# Altium PCB SMIOT_PCB.PcbDoc (continued)
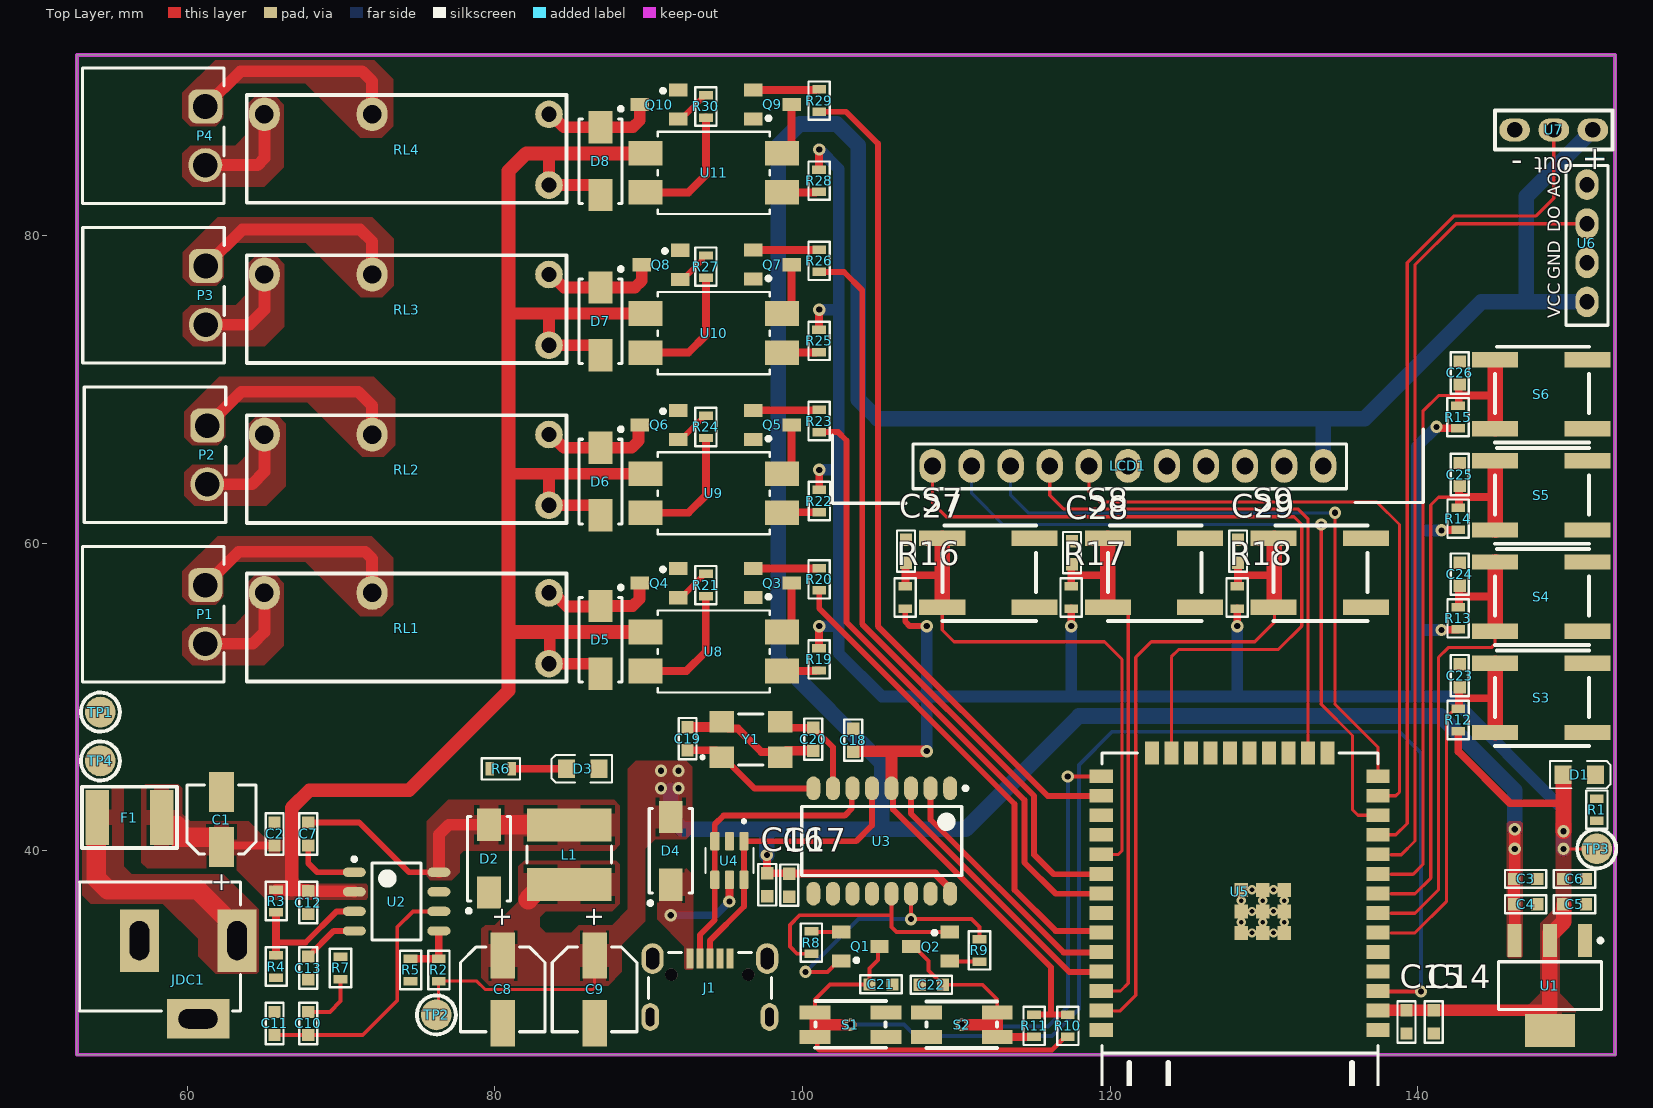
[diagram p0: Top Layer view]
## Part data
C1: library part 865080340003, "V-Chip, D4 x H5.5mm, 22uF, 16V", Capacitance Tolerance=+/-20%, Leakage Current=3.52uA, Operating Temperature Max=105°C, Operating Temperature Min=-55°C, Rated Voltage (DC)=16V, Ripple Current=90mA, Capacitance=22uF, Category="Aluminum Electrolytic Capacitors", ComponentLink2Description="Datasheet Link", ComponentLink2URL=https://www.we-online.com/redexpert/spec/865080340003?ad, Diameter=4mm, Dissipation Factor=16%, Endurance=2000h, Height=5.5mm, Mount="Surface Mount", Packaging="Tape and Reel", Supply 1 Name=Mouser, Supply 1 SN=710-865080340003, Supply 1 URL=https://www.mouser.com/ProductDetail/Wurth-Elektronik/865080340003?qs=0KOYDY2FL2%252BowmC4S50IuQ%3D%3D, Supply 2 Name=thegioiic, Supply 2 URL=https://www.thegioiic.com/tu-nhom-smd-22uf-16v-4x5-4mm
C2 C4 C6 C7 C15 C17 C21 C22 C23 C24 C25 C26 C27 C28 C29: library part 01060310410, "CAP, size 0603, 100nF", Capacitance Tolerance=+/-10%, Operating Temperature="-55 to +125degC", Capacitance=100nF, ComponentLink1Description=Manufacturer, ComponentLink1URL=http://www.we-online.de, ComponentLink2Description=Datasheet, ComponentLink2URL=https://www.we-online.com/catalog/datasheet/885012206095.pdf, Mounting Technology=SMT, Packaging="Tape and Reel", Size=0603, Supply 1 Name="Wurth Elektronik", Supply 1 SN=885012206095, Supply 1 URL=https://www.we-online.com/en/components/products/WCAP-CSGP-50VDC?sq=885012206095R#885012206095R, Supply 2 Name=Thegioiic, Supply 2 URL=https://www.thegioiic.com/tu-gom-0603-100nf-0-1uf-50v
C3 C5: library part 01060310510, "CAP, size 0603, 1uF", Capacitance Tolerance=+/-10%, Operating Temperature="-55 to +125degC", Capacitance=1uF, ComponentLink1Description=Manufacturer, ComponentLink1URL=http://www.we-online.de, ComponentLink2Description=Datasheet, ComponentLink2URL=https://www.we-online.com/components/products/datasheet/885012206126.pdf, Mounting Technology=SMT, Packaging="Tape and Reel", Size=0603, Supply 1 Name="Wurth Elektronik", Supply 1 SN=885012206126, Supply 1 URL=https://www.we-online.com/en/components/products/WCAP-CSGP-50VDC?sq=885012206126#885012206126, Supply 2 Name=Thegioiic, Supply 2 URL=https://www.thegioiic.com/tu-gom-0603-1uf-50v
C8 C9: library part 865080342006, "V-Chip, D5 x H5.5mm, 47uF, 16V", Capacitance Tolerance=+/-20%, Leakage Current=7.52uA, Operating Temperature Max=105°C, Operating Temperature Min=-55°C, Rated Voltage (DC)=16V, Ripple Current=195mA, Capacitance=47uF, Category="Aluminum Electrolytic Capacitors", ComponentLink2Description="Datasheet Link", ComponentLink2URL=https://www.we-online.com/redexpert/spec/865080342006?ad, Diameter=5mm, Dissipation Factor=16%, Endurance=2000h, Height=5.5mm, Mount="Surface Mount", Packaging="Tape and Reel", Supply 1 Name=Mouser, Supply 1 SN=710-865080262015, Supply 1 URL=https://www.mouser.com/ProductDetail/Wurth-Elektronik/865080262015?qs=0KOYDY2FL2%2Ffe5w2MssUoQ%3D%3D, Supply 2 Name=thegioiic, Supply 2 URL=https://www.thegioiic.com/tu-nhom-smd-47uf-16v-5x5-4mm
C10: library part 0106031025, "CAP, size 0603, 1nF", Capacitance Tolerance=+/-5%, Operating Temperature="-55 to +125degC", Capacitance=1nF, ComponentLink1Description=Manufacturer, ComponentLink1URL=http://www.we-online.de, ComponentLink2Description=Datasheet, ComponentLink2URL=https://www.we-online.com/components/products/datasheet/885012006063.pdf, Mounting Technology=SMT, Packaging="Tape and Reel", Size=0603, Supply 1 Name="Wurth Elektronik", Supply 1 SN=885012006063, Supply 1 URL=https://www.we-online.com/en/components/products/WCAP-CSGP-50VDC?sq=885012007063#885012007063
C11: library part 01060347310, "CAP, size 0603, 47nF", Capacitance=47nF, Capacitance Tolerance=+/-10%, Operating Temperature="-55 to +125degC", ComponentLink1Description=Manufacturer, ComponentLink1URL=http://www.we-online.de, ComponentLink2Description=Datasheet, ComponentLink2URL=https://www.we-online.com/catalog/datasheet/885012206093.pdf, Mounting Technology=SMT, Packaging="Tape and Reel", Size=0603, Supply 1 Name="Wurth Elektronik", Supply 1 SN=885012206093, Supply 1 URL=https://www.we-online.com/en/components/products/WCAP-CSGP-50VDC?sq=885012206093#885012206093, Supply 2 Name=Thegioiic, Supply 2 URL=https://www.thegioiic.com/tu-gom-0603-47nf-50v
C12 C13 C18: library part 01060310310, "CAP, size 0603, 10nF", Capacitance Tolerance=+/-10%, Operating Temperature="-55 to +125degC", Capacitance=10nF, ComponentLink1Description=Manufacturer, ComponentLink1URL=http://www.we-online.de, ComponentLink2Description=Datasheet, ComponentLink2URL=https://www.we-online.com/catalog/datasheet/885012206089.pdf, Mounting Technology=SMT, Packaging="Tape and Reel", Size=0603, Supply 1 Name="Wurth Elektronik", Supply 1 SN=885012206089, Supply 1 URL=https://www.we-online.com/en/components/products/WCAP-CSGP-50VDC?sq=885012206089#885012206089, Supply 2 Name=Thegioiic, Supply 2 URL=https://www.thegioiic.com/tu-gom-0603-10nf-50v
C14 C16: library part 01060310010, "CAP, size 0603,10uF", Capacitance Tolerance=+/-10%, Operating Temperature="-55 to +125degC", Capacitance=10uF, ComponentLink1Description=Manufacturer, ComponentLink2Description=Datasheet, Mounting Technology=SMT, Packaging="Tape and Reel", Size=0603, Supply 2 Name=Thegioiic, Supply 2 URL=https://www.thegioiic.com/tu-gom-0603-10uf-16v
C19 C20: library part 01060322010, "CAP, size 0603, 22pF", Capacitance Tolerance=+/-10%, Operating Temperature="-55 to +125degC", Capacitance=22pF, ComponentLink1Description=Manufacturer, ComponentLink1URL=Thegioiic, ComponentLink2Description=Datasheet, Mounting Technology=SMT, Packaging="Tape and Reel", Size=0603, Supply 2 Name=Thegioiic, Supply 2 URL=https://www.thegioiic.com/tu-gom-0603-22pf-50v
D1 D3: "LED"
D2 D4: "Schottky Diode", Code_JEDEC=DO-214-AA, LatestRevisionDate=17-Jul-2002, LatestRevisionNote="Re-released for DXP Platform.", PackageDescription="DO-214-AA/SMB; 2 C-Bend Leads; Body 5.3 x 3.6 mm, inc. leads (LxW)", PackageReference=SMB, Published=8-Jun-2000, Publisher="Altium Limited"
D5 D6 D7 D8: library part "D Schottky", "Schottky Diode", Code_JEDEC=DO-214-AA, LatestRevisionDate=17-Jul-2002, LatestRevisionNote="Re-released for DXP Platform.", PackageDescription="DO-214-AA/SMB; 2 C-Bend Leads; Body 5.3 x 3.6 mm, inc. leads (LxW)", PackageReference=SMB, Published=8-Jun-2000, Publisher="Altium Limited"
F1: library part 061812200008, "Resettable Fuse, Size 1812, 8V, 2A", Hold Current=2A, Manufacturer=Littelfuse, Threshold Current=100A, Threshold Voltage=8V, Trip Current=4A, ComponentLink1Description="Datasheet link", ComponentLink1URL=https://www.littelfuse.com/~/media/electronics/product_specifications/resettable_ptcs/littelfuse_ptc_minismdc300f_2_product_specification.pdf.pdf, ComponentLink2Description="Supply 1 URL", ComponentLink2URL=https://www.mouser.vn/ProductDetail/Littelfuse/MINISMDC200F-2?qs=F6FIpiMdEVbPu4q%2F42CC1w%3D%3D, ComponentLink3Description="Supply 2 URL", ComponentLink3URL=https://www.digikey.com/en/products/detail/littelfuse-inc/MINISMDC200F-2/1045898?s=N4IgTCBcDaIAQFkCSA5JBlBARAwmADPgGIC0EAugL5A, ComponentLink4Description="Supply 3 URL", ComponentLink4URL=https://www.thegioiic.com/cau-chi-tu-phuc-hoi-1812-8v-2a, Mounting Technology=SMT/SMD, Size=1812, Supply 1 Name=Mouser, Supply 1 SN=650-MINISMDC200F-2, Supply 2 Name=Digikey, Supply 2 SN=MINISMDC200F-2TR-ND, Supply 3 Name=Thegioiic, Supply 3 SN=N/A
J1: "Micro USB 2.0 Type B Receptacle WR-COM, Horizontal, SMT, with Pegs, High Current at Pin 1 & Pin 5", Contact Resistance="30 mOhm", Operating Temperature="-40 to 85 degC", Rated Current="3 A", Working Voltage="30 VAC", ComponentLink1Description=Manufacturer, ComponentLink1URL=http://www.we-online.de, ComponentLink2Description=Datasheet, ComponentLink2URL=https://katalog.we-online.de/em/datasheet/629105150521.pdf, Connector Type="Micro USB 2.0 Type B", Gender=Receptacle, Mounting Technology=SMT, Orientation=Horizontal, Packaging="Tape and Reel", Part Number=629105150521, Published Date="September 2018", Publisher="Wurth Elektronik"
JDC1: "Jack DC input"
L1: library part 78477410, "WE-PD2A SMT Power Inductor, size 5848, 10uH, 2.2A", DC Resistance max.=0.1Ohm, DC Resistance typ.=0.078Ohm, Inductance=10uH, Manufacturer="Wurth Elektronik", Operating Temperature="-40 to +125degC", Rated Current=2.2A, Rated Voltage=80VDC, Saturation Current=2.5A, Self Resonant Frequency=26MHz, ComponentLink1Description=Manufacturer, ComponentLink1URL=http://www.we-online.de, ComponentLink2Description=Datasheet, ComponentLink2URL=https://www.we-online.com/catalog/datasheet/78477410.pdf, Manufacturer Part Number=78477410, Mounting Technology=SMT, Packaging="Tape and Reel", Published Date="May 2020", Size=5848, Supply 1 Name=Digi-Key, Supply 1 SN=732-6830-2-ND, Supply 1 URL=https://www.digikey.com/en/products/detail/w%C3%BCrth-elektronik/78477410/5168779?s=N4IgTCBcDaIOwA4Asc5IIwAYQF0C%2BQA, Supply 2 Name=Mouser, Supply 2 SN=710-78477410, Supply 2 URL=https://www.mouser.vn/ProductDetail/Wurth-Elektronik/78477410?qs=sBf%2Fb4nBSldlX6CYaJExDg%3D%3D, Supply 3 Name=thegioiic, Supply 3 URL=https://www.thegioiic.com/cuon-cam-dan-smd-cd53-5852-100-10uh-1-8a
LCD1: library part "LCD TFT", "The ILI9225 is a 262,144-color one-chip SoC driver for a-TFT liquid crystal display with resolution of 176RGBx220 dots, comprising a 528-channel source driver, a 220-channel gate driver, 87120 bytes RAM for graphic data of 176RGBx220 dots, and power supply circuit.", Display Color="16BIT RGB 65K color", Operating Temperature=-20℃~60℃, Operating Voltage=5V/3.3V, Power Consumption=TBD, Rough Weight(Package containing)="23 (g)", Storage Temperature=-30℃~70℃, Active Area="34.85x43.56 (mm)", Backlight="3 White Led", ComponentLink1Description=Hshop, ComponentLink1URL=https://hshop.vn/products/man-hinh-lcd-tft-2-inch-ili9225-giao-tiep-spi, ComponentLink2Description=Thegioiic, ComponentLink2URL=https://www.thegioiic.com/lcd-2inch-176x220-tft-ili9225-giao-tiep-spi, Driver IC=ILI9225, Module Interface="4-wire SPI interface", Module PCB Size="42.46x67.20 (mm)", Resolution="176*220 (Pixel)", Screen Size=2.2(inch), SKU=MAR2201, Type=TFT
P1 P2 P3 P4: "WR-TBL Series 322 Horizontal PCB Header, THT, pitch 3.81mm, 2p", Manufacturer="Wurth Elektronik", Operating Temperature Max=105°C, Operating Temperature Min=-40°C, Rated Current=10A, Working Voltage=300V, Application=Pluggable, Category="Terminal Blocks", ComponentLink1Description="Website Link", ComponentLink1URL=https://www.we-online.com/redexpert/article/691322310002?ad, ComponentLink2Description="Datasheet Link", ComponentLink2URL=https://www.we-online.com/redexpert/spec/691322310002?ad, Manufacturer Part Number=691322310002, Match Code=WR-TBL, Modularity=No, Mount="Through Hole", Number of Pins=2, Number of Rows=1, Orientation=Horizontal, Packaging=Box, Pitch=3.81mm, Supply 3 Name=ThegioiIC, Supply 3 URL 1=https://www.thegioiic.com/kf-3-81-2-r-terminal-block-plug-in-han-pcb-2-chan-cong-3-81mm-300v-10a, Supply 3 URL 2=https://www.thegioiic.com/ul-3-81-2-r-terminal-block-plug-in-han-pcb-2-chan-cong-3-81mm-300v-10a-ulo
Q1 Q2 Q3 Q5 Q7 Q9: "NPN Bipolar Transistor"
Q4 Q6 Q8 Q10: library part BC817, "NPN Bipolar Transistor"
R1: library part 0006032525, "RES, 2.5K Ohm, size 0603, 5%", Rated Power="1/4 W", Resistance=2.5K, Resistance tolerance=+/-5%, ComponentLink1Description="Datasheet link", Mounting Technology=SMT, Size=0603
R2: library part 0006038251, "RES, 8.2 kOhms, size 0603, 1%", Rated Power="1/4 W", Resistance=8.2K, Resistance tolerance=+/-1%, ComponentLink1Description="Datasheet link", Mounting Technology=SMT, Size=0603, Supply 1 Name=Mouser, Supply 1 SN=660-HV731JTTD8204F, Supply 1 URL=https://www.mouser.vn/ProductDetail/KOA-Speer/HV731JTTD8204F?qs=ZqVPfSd1khqN0teaqWW7DA%3D%3D, Supply 2 Name=Digi-Key, Supply 2 SN=13-RC0603FR-078M2LTR-ND, Supply 2 URL=https://www.digikey.com/en/products/detail/yageo/RC0603FR-078M2L/5918418
R3: library part 0006031041, "RES, 100k Ohm, size 0603, 1%", Rated Power=1/4W, Resistance Tolerant=+/-1%, ComponentLink1Description="Datasheet link", ComponentLink1URL=https://www.yageo.com/upload/media/product/productsearch/datasheet/rchip/PYu-SR_20105_RoHS_L_10.pdf, ComponentLink2Description="Supply 1 URL", ComponentLink2URL=https://www.mouser.vn/ProductDetail/YAGEO/SR0603FR-7T100KL?qs=sGAEpiMZZMvdGkrng054tz1y1XEHv7sNa%252BA%2F4WiDMf7aGw4zRBb%2FFQ%3D%3D, ComponentLink3Description="Supply 2 URL", ComponentLink3URL=https://www.digikey.com/en/products/detail/yageo/SR0603FR-7T100KL/9373095, Mounting Technology=SMT, Resistance=100k, Size=0603, Supply 1 Name=Mouser, Supply 1 SN=603-SR0603FR-7T100KL, Supply 2 Name=Digikey, Supply 2 SN="YAG5821TR-ND YAG5821CT-ND YAG5821DKR-ND"
R4: library part 0006032031, "RES, 20 kOhms, size 0603, 1%", Rated Power="1/4 W", Resistance="20 k", Resistance tolerance=+/-1%, ComponentLink1Description="Datasheet link", Mounting Technology=SMT, Size=0603, Supply 1 Name=Mouser, Supply 1 SN=667-ERJ-S03F2002V, Supply 1 URL=https://www.mouser.vn/ProductDetail/Panasonic/ERJ-S03F2002V?qs=Zyl8A9hlmJopfTdqNIDujw%3D%3D, Supply 2 Name=Digi-Key, Supply 2 SN=13-RC0603FR-1320KLTR-ND, Supply 2 URL=https://www.digikey.com/en/products/detail/yageo/RC0603FR-1320KL/13694225
R5: library part 0006031521, "RES, 1.5 kOhms, size 0603, 1%", Rated Power="1/4 W", Resistance="1.5 k", Resistance tolerance=+/-1%, ComponentLink1Description="Datasheet link", Mounting Technology=SMT, Size=0603, Supply 1 Name=Mouser, Supply 1 SN=755-SFR03EZPF1501, Supply 1 URL=https://www.mouser.vn/ProductDetail/ROHM-Semiconductor/SFR03EZPF1501?qs=byeeYqUIh0NryWvnzlukLQ%3D%3D, Supply 2 Name=Digi-Key, Supply 2 SN=13-RC0603FR-071R5LTR-ND, Supply 2 URL=https://www.digikey.com/en/products/detail/yageo/RC0603FR-071R5L/5918292
R6: library part 0006035621, "RES, 5.6k Ohm, size 0603, 1%", Rated Power=1/4W, Resistance Tolerant=+/-1%, ComponentLink1Description="Datasheet link", ComponentLink1URL=https://api.pim.na.industrial.panasonic.com/file_stream/main/fileversion/4484, ComponentLink2Description="Supply 1 URL", ComponentLink2URL=https://www.mouser.vn/ProductDetail/Panasonic/ERJ-UP3F5601V?qs=sGAEpiMZZMvdGkrng054twq3eZrCFN89ezYxgAsnxBTZYD17cS%252B65A%3D%3D, ComponentLink3Description="Supply 2 URL", ComponentLink3URL=https://www.digikey.com/en/products/detail/panasonic-electronic-components/ERJ-UP3F5601V/12092890, Mounting Technology=SMT, Resistance=5.6k, Size=0603, Supply 1 Name=Mouser, Supply 1 SN=667-ERJ-UP3F5601V, Supply 2 Name=Digikey, Supply 2 SN="10-ERJ-UP3F5601VTR-ND 10-ERJ-UP3F5601VCT-ND 10-ERJ-UP3F5601VDKR-ND"
R7: library part 0006033205, "RES, 32k Ohm, size 0603, 1%", Rated Power="1/4 W", Resistance tolerance=+/-1%, ComponentLink1Description="Datasheet link", Mounting Technology=SMT, Resistance=30k, Size=0603
R8 R9 R10 R11 R12 R13 R14 R15 R16 R17 R18: library part 0006031031, "RES, 10k Ohm, size 0603, 1%", Rated Power=1/4W, Resistance Tolerant=+/-1%, ComponentLink1Description="Datasheet link", ComponentLink1URL=https://fscdn.rohm.com/en/products/databook/datasheet/passive/resistor/chip_resistor/esr-e.pdf, ComponentLink2Description="Supply 1 URL", ComponentLink2URL=https://www.mouser.vn/ProductDetail/ROHM-Semiconductor/ESR03EZPF1002?qs=sGAEpiMZZMvdGkrng054t67Efho1F8r6CDeAsqwFse8%3D, ComponentLink3Description="Supply 2 URL", ComponentLink3URL=https://www.digikey.com/en/products/detail/rohm-semiconductor/ESR03EZPF1002/1983429, Mounting Technology=SMT, Resistance=10k, Size=0603, Supply 1 Name=Mouser, Supply 1 SN=755-ESR03EZPF1002, Supply 2 Name=Digikey, Supply 2 SN="RHM10KADTR-ND RHM10KADCT-ND RHM10KADDKR-ND"
R19 R22 R25 R28: library part 0006032211, "RES, 220 Ohm, size 0603, 1%", Rated Power=1/4W, Resistance Tolerant=+/-1%, ComponentLink1Description="Datasheet link", ComponentLink1URL=https://api.pim.na.industrial.panasonic.com/file_stream/main/fileversion/4484, ComponentLink2Description="Supply 1 URL", ComponentLink2URL=https://www.mouser.vn/ProductDetail/Panasonic/ERJ-UP3F2200V?qs=sGAEpiMZZMvdGkrng054twq3eZrCFN89E%252BhCXuCu3h8RslmTO1I28Q%3D%3D, ComponentLink3Description="Supply 2 URL", ComponentLink3URL=https://www.digikey.com/en/products/detail/panasonic-electronic-components/ERJ-UP3F2200V/12092129, Mounting Technology=SMT, Resistance=220, Size=0603, Supply 1 Name=Mouser, Supply 1 SN=667-ERJ-UP3F2200V, Supply 2 Name=Digikey, Supply 2 SN="10-ERJ-UP3F2200VTR-ND 10-ERJ-UP3F2200VCT-ND 10-ERJ-UP3F2200VDKR-ND"
R20 R21 R23 R24 R26 R27 R29 R30: library part 0006032221, "RES, 2.2k Ohm, size 0603, 1%", Rated Power=1/4W, Resistance Tolerant=+/-1%, ComponentLink1Description="Datasheet link", ComponentLink1URL=https://api.pim.na.industrial.panasonic.com/file_stream/main/fileversion/4484, ComponentLink2Description="Supply 1 URL", ComponentLink2URL=https://www.mouser.vn/ProductDetail/Panasonic/ERJ-UP3F2201V?qs=sGAEpiMZZMvdGkrng054twq3eZrCFN89KeaXYJ5LTWyJgfuuVVfZrw%3D%3D, ComponentLink3Description="Supply 2 URL", ComponentLink3URL=https://www.digikey.com/en/products/detail/panasonic-electronic-components/ERJ-UP3F2201V/12092708, ComponentLink4Description="Supply 3 URL", ComponentLink4URL=https://www.thegioiic.com/dien-tro-2-2-kohm-0603-1, Mounting Technology=SMT, Resistance=2.2k, Size=0603, Supply 1 Name=Mouser, Supply 1 SN=667-ERJ-UP3F2201V, Supply 2 Name=Digikey, Supply 2 SN="10-ERJ-UP3F2201VTR-ND 10-ERJ-UP3F2201VCT-ND 10-ERJ-UP3F2201VDKR-ND", Supply 3 Name=thegioiic, Supply 3 SN=NA
RL1 RL2 RL3 RL4: "SeriesHF46F 12V 1 Form A 1A Gold Plated SUBMINIATURE INTERMEDIATE POWER RELAY", Package=None, Availability="Not in stock", Check_prices=https://www.snapeda.com/parts/HF46F/Hongfa/view-part/?ref=eda, MF=Hongfa, MP=HF46F, Price=None, SnapEDA_Link=https://www.snapeda.com/parts/HF46F/Hongfa/view-part/?ref=snap
S1 S2: "Tactile Switch, 3x4x2.5mm", Package=None, Availability=Unavailable, ComponentLink1Description="New link", MP=TL6700AF160QG, Price=None, Supplier 1 Name=Thegioiic, Supplier 1 URL=https://www.thegioiic.com/nut-nhan-3x4mm-cao-2-5mm-4-chan-smd
S3 S4 S5 S6 S7 S8 S9: "Tactile Switch, 6x6mm"
TP1 TP2 TP3 TP4: "Test point, 2mm radius"
U1: "AMS1117-3.3V, OUT 3.3V 1A.", Current Output Maximum=1A, Manufacturer=AMS, Voltage Input Maximum=15V, Voltage Output=3.3V, Datasheet=http://www.advanced-monolithic.com/pdf/ds1117.pdf, Mounting Technology=SMD, Pad Count=4, Supplier 3 Link=https://www.thegioiic.com/ams1117-3-3v-ic-on-ap-3-3v-1a-sot-223, Supplier 3 Name=ThegioiIC
U2: library part TPS54231, "Buck Switching Regulator IC Positive Adjustable 0.8V 1 Output 2A 8-SOIC (0.154\", 3.90mm Width)", Current - Output=2A, Frequency - Switching=570kHz, Mfr="Texas Instruments", Operating Temperature="-40°C ~ 150°C (TJ)", Voltage - Input (Max)=28V, Voltage - Input (Min)=3.5V, Voltage - Output (Max)=25V, Voltage - Output (Min/Fixed)=0.8V, Category="Integrated Circuits (ICs)", ComponentLink1Description=Thegioiic, ComponentLink1URL=https://www.thegioiic.com/tps54231dr-ic-dieu-chinh-giam-ap-2a-8-soic, ComponentLink2Description=Datasheet, ComponentLink2URL=https://www.ti.com/lit/ds/symlink/tps54231.pdf, Function=Step-Down, Mounting Type="Surface Mount", Number of Outputs=1, Output Configuration=Positive, Output Type=Adjustable, Topology=Buck
U3: library part CH340, "USB Bridge, USB to UART USB 2.0 UART Interface", Current - Supply=20mA, Mfr="SparkFun Electronics", Operating Temperature="-20°C ~ 70°C (TA)", Voltage - Supply="3V ~ 3.6V", ComponentLink1Description=Thegioiic, ComponentLink1URL=https://www.thegioiic.com/ch340g, ComponentLink2Description=Datasheet, ComponentLink2URL=https://www.thegioiic.com/upload/documents/5d39d5f0043101a4c964078db79fe1bd.PDF, Function="Bridge, USB to UART", Interface=UART, Protocol=USB, Standards="USB 2.0"
U4: "17V Clamp 5A (8/20Âµs) Ipp Tvs Diode Surface Mount SOT-23-6"
U5: library part ESP32-WROOM, "Bluetooth, WiFi 802.11b/g/n, Bluetooth v4.2 +EDR, Class 1, 2 and 3 Transceiver Module 2.4GHz ~ 2.5GHz Integrated, Trace Surface Mount", Frequency="2.4GHz ~ 2.5GHz", Mfr="Espressif Systems", Operating Temperature="-40°C ~ 85°C", Power - Output=20dBm, Voltage - Supply="3V ~ 3.6V", Antenna Type="Integrated, Trace", Category="RF and Wireless", ComponentLink1Description=Hshop, ComponentLink1URL=https://hshop.vn/products/mach-thu-phat-wifi-ble-soc-esp32-v1, ComponentLink2Description=Datasheet, ComponentLink2URL=https://www.espressif.com/sites/default/files/russianDocumentation/esp32-wroom-32e_esp32-wroom-32ue_datasheet_en.pdf, Data Rate=150Mbps, Memory Size="4MB Flash, 448kB ROM, 536kB SRAM", Modulation="CCK, DSSS, OFDM", Mounting Type="Surface Mount", Protocol="802.11b/g/n, Bluetooth v4.2 +EDR, Class 1, 2 and 3", RF Family/Standard="Bluetooth, WiFi", Sensitivity=-98dBm, Serial Interfaces="ADC, GPIO, I²C, I²S, PWM, SDIO, SPI, UART", Series=ESP32, Utilized IC / Part=ESP32-D0WD-V3
U6: "Flame Sensor, 3.3V-5V, infrared, ouput: analog/digital."
U7: "Temperature & Humidity Sensor, 3.3V-5V, 5mA"
U8 U9 U10 U11: "PC817 series, SMD, I_F (max) = 500mA, V_F (max) = 1.4V. / Breakdown voltage: BV_CE = 80V, BV_BE = 6V."
Y1: library part 830055999, "WE-XTAL Quartz Crystal, SMT, CFPX-104, 12MHz, +/-30ppm", Frequency Stability=+/-30ppm, Load Capacitance=18pF, Manufacturer="Wurth Elektronik", Operating Temperature="-40 to +85degC", ComponentLink1Description=Manufacturer, ComponentLink1URL=http://www.we-online.de, ComponentLink2Description=Datasheet, ComponentLink2URL=https://katalog.we-online.com/pbs/datasheet/830055999.pdf, Frequency=12MHz, Frequency Tolerance=+/-30ppm, Manufacturer Part Number=830055999, Mounting Technology=SMT, Packaging="Tape and Reel", Published Date="July 2020", Size=CFPX-104

## Via types
v1: diameter 0.8, hole 0.4, Top Layer to Bottom Layer, 30 vias
v2: diameter 0.6, hole 0.3, Top Layer to Bottom Layer, 12 vias

## Nets (pads, with @x,y where several pads share a name; then routed paths per layer and width w, separated by ;. In a path a pad name is that pad's centre, name@x,y a point inside that pad or via, vN(x,y) a via of type N, cw(c..) or ccw(c..) an arc to the next point about the centre after c; other vN are vias at no path point)
3.3V: C5.1 C6.1 C14.1 C15.1 C18.1 D1.1 R10.1 R11.1 R12.1 R13.1 R14.1 R15.1 R16.1 R17.1 R18.1 R19.1 R22.1 R25.1 R28.1 TP3.1 U1.2 U1.4 U3.4 U5.2 | length 205.6
  Top Layer w0.203: v1(149.479,40.132) TP3.1
  Top Layer w0.381: U3.4 105.89,43.966 105.89,42.7 116.154,32.436 116.154,29.351 ; R16.1 106.68,54.908 106.978,54.61 v1(108.077,54.61) ; R11.1 116.154,29.351 ; R10.1 116.154,29.351
  Top Layer w0.508: R19.1 101.085,53.183 101.085,54.73 v1@101.092,54.737 ; R25.1 101.085,73.884 101.085,75.177 v1(101.092,75.184) ; R28.1 101.085,84.298 101.085,85.591 v1(101.092,85.598) ; R22.1 v1(101.092,64.77) ; v1(117.475,54.61) R17.1 ; v1(128.27,54.61) R18.1 ; U5.2 U5.2@137.439,29.63 ; v1(141.224,67.564) 141.303,67.564 141.393,67.474 R15.1 ; v1(141.548,54.356) 141.566,54.375 142.617,54.375 R13.1 ; v1(141.548,60.833) 141.566,60.851 142.617,60.851 R14.1 ; R12.1 142.635,46.468 146.004,43.099 149.479,43.099
  Top Layer w0.762: C18.1 103.321,46.462 103.582,46.462 103.602,46.482 105.791,46.482 ; U3.4 105.791,46.482 ; v1(108.077,46.482) 105.791,46.482 ; U5.2@137.439,29.63 148.59,29.63
  Top Layer w1.016: 148.59,29.63 148.59,34.681 148.648,34.739 148.844,34.739 149.497,35.392 C5.1@149.497,36.468 ; D1.1 149.479,44.924 149.479,43.099 v1(149.479,41.275)
  Bottom Layer w0.762: v1(101.092,54.61) 102.362,54.61 ; v1(101.092,64.77) 102.362,64.77 ; v1(101.092,75.184) 102.362,75.184 ; v1(101.092,85.598) 102.362,84.328 102.362,75.184 ; v1(108.077,46.482) 108.077,50.038 ; v1(108.077,54.61) 108.077,50.038 ; v1(117.475,54.61) 117.475,50.038 ; v1(128.27,54.61) 128.27,50.038 ; v1(141.224,67.564) 139.954,66.294 139.954,60.833 ; v1(141.548,54.356) 139.954,54.356 ; v1(141.548,60.833) 139.954,60.833 ; v1(149.479,41.275) 149.472,41.282 149.472,42.679 142.113,50.038 139.954,50.038 ; 102.362,54.61 102.362,64.77 ; 102.362,54.61 102.362,52.832 105.156,50.038 108.077,50.038 ; 102.362,64.77 102.362,75.184 ; 108.077,50.038 117.475,50.038 ; 117.475,50.038 128.27,50.038 ; 128.27,50.038 139.954,50.038 ; 139.954,50.038 139.954,54.356 ; 139.954,54.356 139.954,60.833
  Bottom Layer w1.016: v1(149.479,40.132) v1(149.479,41.275)
5V: C3.1 C4.1 C8.1 C9.1 C16.2 C17.1 D3.1 D4.2 L1.2 LCD1.11 R2.2 TP2.1 U1.3 U3.16 U6.1 U7.1 | length 242.3
  Top Layer w0.203: TP2.1 76.352,29.489 R2.2 78.83,31.533 79.375,30.988 86.368,30.988 86.487,31.107 C9.1
  Top Layer w0.508: v1(97.688,39.726) 97.688,38.571 C16.2 99.111,38.545 C17.1 108.634,38.52 109.479,37.675 109.479,37.337 U3.16
  Top Layer w0.762: U1.3 146.3,36.49 C4.1 C3.1 146.284,38.195 146.284,38.456 146.304,38.476 v1(146.304,40.132) v1(146.304,41.402)
  Top Layer w1.27: L1.2@82.169,36.834 83.161,37.826 L1.2
  Bottom Layer w1.016: 91.44,43.942 91.44,42.164 92.202,41.402 97.688,41.402 ; v1(97.688,39.726) 97.688,41.402 ; LCD1.11 133.858,68.1 ; v1(146.304,41.402) 146.297,41.409 146.297,43.949 141.478,48.768 117.983,48.768 110.617,41.402 105.156,41.402 ; U6.1 147.066,75.692 ; U7.1 147.066,82.55 147.066,75.692 ; 97.688,41.402 105.156,41.402 ; 105.156,41.402 105.156,45.72 98.425,52.451 98.425,85.852 99.822,87.249 102.235,87.249 103.632,85.852 103.632,69.342 104.874,68.1 133.858,68.1 ; 133.858,68.1 136.553,68.1 144.145,75.692 147.066,75.692
  other v1: 90.805,44.069 91.948,44.069 90.805,45.212 91.948,45.212
5V_USB: D4.1 J1.1 U4.5 | length 5.6
  Top Layer w0.508: v1(95.25,36.703) U4.5
  Bottom Layer w0.508: v1(91.44,35.814) 94.361,35.814 v1(95.25,36.703)
12V: C1.1 C2.1 C12.1 D5.2 D6.2 D7.2 D8.2 F1.1 R3.1 RL1.1 RL2.1 RL3.1 RL4.1 TP1.1 U2.2 U8.3 U9.3 U10.3 U11.3 | length 128.7
  Top Layer w0.508: C1.1@62.34,40.347 C2.1
  Top Layer w0.762: C1.1 C1.1@62.34,40.347 ; R3.1 66.793,37.461 67.8,37.461 C12.1 67.888,37.373 70.831,37.373 U2.2 ; 80.893,64.516 83.566,64.516 ; 80.893,74.93 83.524,74.93 ; 83.566,54.223 83.566,52.211 RL1.1 86.474,52.169 86.868,51.775 D5.2 ; 83.566,85.338 83.524,85.296 RL4.1 86.474,83.284 86.868,82.89 D8.2 ; D6.2 86.868,62.072 86.474,62.466 RL2.1 83.524,64.474 83.566,64.516 ; D7.2 86.868,72.476 86.474,72.87 RL3.1 83.524,74.93 ; U9.3 83.566,64.516 ; U10.3 83.524,74.93
  Top Layer w0.889: 66.793,37.461 66.793,42.79 67.945,43.942 74.422,43.942 80.893,50.413 80.893,54.223 ; U8.3 89.796,54.223 83.566,54.223 80.893,54.223 ; U11.3 89.796,85.338 83.566,85.338 82.036,85.338 80.893,84.195 80.893,74.93 80.893,64.516 80.893,54.223
  Top Layer w1.27: 59.309,41.656 59.309,40.894 62.065,40.894 62.23,40.729 C1.1
Button_1: C23.1 R12.2 S3.1 S3.2 U5.6 | length 25.7
  Top Layer w0.203: 138.269,34.671 139.827,34.671 141.859,36.703 141.859,48.641 142.284,49.066 142.462,49.066 R12.2 ; 142.675,49.911 142.686,49.922
  Top Layer w0.508: R12.2 142.666,49.239 142.687,49.26 142.687,49.922 145.009,49.922 145.034,49.947 ; 142.686,49.922 142.686,50.583 C23.1
  Top Layer w1.016: S3.2 145.034,49.947 S3.1
Button_2: C24.1 R13.2 S4.1 S4.2 U5.7 | length 32
  Top Layer w0.203: 138.269,35.941 139.827,35.941 141.351,37.465 141.351,52.578 141.986,53.213 144.78,53.213 145.031,53.464 145.031,54.274 S4.2 ; R13.2 R13.2@142.665,55.843
  Top Layer w0.508: R13.2@142.665,55.843 142.686,55.864 142.686,56.526 ; C24.1 142.686,57.187 142.686,56.526 ; 145.034,56.527 145.033,56.526 142.686,56.526
  Top Layer w1.016: S4.2 145.034,56.527 S4.1
Button_3: C25.1 R14.2 S5.1 S5.2 U5.8 | length 37.6
  Top Layer w0.203: 138.269,37.211 139.827,37.211 140.843,38.227 140.843,62.484 141.351,62.992 142.686,62.992
  Top Layer w0.508: R14.2@142.686,62.341 142.686,63.003 ; C25.1 142.686,63.664 142.686,63.003 ; 145.034,63.107 144.93,63.003 142.686,63.003
  Top Layer w1.016: S5.2 145.034,63.107 S5.1
Button_4: C26.1 R15.2 S6.1 S6.2 U5.9 | length 42.8
  Top Layer w0.203: 138.269,38.481 139.7,38.481 140.335,39.116 140.335,68.58 141.362,69.607 142.672,69.607
  Top Layer w0.508: R15.2@142.672,68.945 142.672,69.607 ; C26.1 142.672,70.268 142.672,69.607 ; 145.034,69.687 144.954,69.607 142.672,69.607
  Top Layer w1.016: S6.2 145.034,69.687 S6.1
DHT11: U5.11 U7.2 | length 54.4
  Top Layer w0.203: U5.11 138.581,41.045 139.319,41.783 139.319,78.232 142.367,81.28 147.701,81.28 148.844,82.423 U7.2
GND: C1.2 C2.2 C3.2 C4.2 C5.2 C6.2 C8.2 C9.2 C11.2 C12.2 C13.2 C14.2 C15.2 C16.1 C17.2 C18.2 C19.1 C20.1 C21.2 C22.2 C23.2 C24.2 C25.2 C26.2 C27.2 C28.2 C29.2 D2.1 J1.5 J1.Shell JDC1.2 JDC1.3 LCD1.9 LCD1.10 Q3.1 Q4.1 Q5.1 Q6.1 Q7.1 Q8.1 Q9.1 Q10.1 R1.2 R4.2 R5.2 R6.2 R7.2 S1.3 S1.4 S2.3 S2.4 S3.3 S3.4 S4.3 S4.4 S5.3 S5.4 S6.3 S6.4 S7.3 S7.4 S8.3 S8.4 S9.3 S9.4 TP4.1 U1.1 U2.7 U3.1 U4.2 U5.1 U5.15 U5.38 U6.2 U7.3 Y1.2 Y1.4 | length 9.4
  Top Layer w0.381: Y1.4@94.398,48.045 Y1.4 ; Y1.2 Y1.2@98.959,46.506
  Top Layer w0.508: Y1.4 95.193,47.948 95.816,47.948 97.328,46.436 98.205,46.436 Y1.2
  Top Layer w0.635: C19.1 Y1.4@94.398,48.045 ; Y1.2@98.959,46.506 C20.1
HSPICLK: LCD1.5 U5.13 | length 41.6
  Top Layer w0.203: LCD1.5 118.618,63.373 119.31,62.681 137.344,62.681 138.811,61.214 138.811,43.815 138.581,43.585 U5.13@137.448,43.585
HSPICS0: LCD1.1 U5.23 | length 49.2
  Top Layer w0.203: LCD1.1 108.458,62.611 109.347,61.722 131.953,61.722 132.461,61.214 132.461,54.61 130.937,53.086 124.46,53.086 123.984,52.61 U5.23
HSPID: LCD1.4 U5.16 | length 34.6
  Top Layer w0.203: LCD1.4 116.078,63.119 116.967,62.23 132.207,62.23 132.874,61.563 U5.16
LCD_Enter: C28.1 R17.2 S8.1 S8.2 U5.36 | length 35.9
  Top Layer w0.203: U5.36 120.674,30.885 121.183,31.394 121.183,55.427 120.785,55.825 S8.2
  Top Layer w0.508: R17.2 117.475,57.912 ; C28.1 117.475,58.584 117.475,57.912 ; 119.857,58.075 119.694,57.912 117.475,57.912
  Top Layer w1.016: S8.2 119.857,58.075 S8.1
LCD_RS: LCD1.3 U5.14 | length 41.7
  Top Layer w0.203: v1(134.62,61.976) 134.62,49.53 137.414,46.736 U5.14@137.414,44.855
  Bottom Layer w0.203: LCD1.3 113.538,63.119 114.681,61.976 v1(134.62,61.976)
LCD_RST: LCD1.2 U5.12 | length 46.5
  Top Layer w0.203: v1(133.731,61.214) 133.731,49.53 135.763,47.498 135.763,42.672 136.12,42.315 U5.12
  Bottom Layer w0.203: LCD1.2 110.998,63.246 113.03,61.214 v1(133.731,61.214)
LCD_UP: C27.1 R16.2 S7.1 S7.2 U5.29 | length 36.3
  Top Layer w0.203: S7.2 109.093,54.356 109.855,53.594 119.634,53.594 120.777,52.451 120.777,40.005 120.547,39.775 U5.29
  Top Layer w0.508: R16.2 106.684,57.203 106.705,57.224 106.705,57.912 ; C27.1 106.705,58.709 106.705,57.912 ; 109.093,58.075 108.93,57.912 106.705,57.912
  Top Layer w1.016: S7.2 109.093,58.075 S7.1
LDC_DOWN: C29.1 R18.2 S9.1 S9.2 U5.37 | length 43.2
  Top Layer w0.203: 120.269,29.591 120.276,29.598 120.657,29.598 121.666,30.607 121.666,52.578 122.682,53.594 129.413,53.594 130.683,54.864 S9.2@130.683,55.825
  Top Layer w0.508: R18.2 128.3,57.203 128.321,57.224 128.321,57.912 ; C29.1 128.321,57.912 ; 130.683,58.075 130.52,57.912 128.321,57.912
  Top Layer w1.016: S9.2@130.683,55.825 130.683,58.075 S9.1@130.683,60.325
LM393: U5.10 U6.3 | length 51.7
  Top Layer w0.203: 138.269,39.751 138.938,39.751 139.827,40.64 139.827,78.105 142.494,80.772 U6.3
NetC7_1: C7.1 U2.1 | length 4.4
  Top Layer w0.381: C7.1 67.869,39.192 68.453,38.608 U2.1
NetC7_2: C7.2 D2.2 L1.1 U2.8 | length 21
  Top Layer w0.381: C7.2 71.183,41.847 74.422,38.608 U2.8
  Top Layer w0.762: U2.8 76.366,41.06 77.003,41.697 D2.2
  Top Layer w1.27: D2.2 79.64,41.687 84.825,41.687 L1.1
NetC10_1: C10.1 C11.1 U2.6 | length 16.8
  Top Layer w0.254: C11.1 C10.1 71.417,28.028 73.66,30.272 73.66,35.052 74.676,36.068 U2.6
NetC10_2: C10.2 R7.1 | length 3.8
  Top Layer w0.254: C10.2 69.279,29.528 69.977,30.226 R7.1
NetC13_1: C13.1 U2.4 | length 3.7
  Top Layer w0.381: C13.1 69.536,34.798 U2.4
NetC19_2: C19.2 U3.8 Y1.1 | length 9.2
  Top Layer w0.381: Y1.1@94.396,46.545 96.876,44.065 U3.8
  Top Layer w0.508: C19.2 Y1.1@94.396,46.545
NetC20_2: C20.2 U3.7 Y1.3 | length 6.8
  Top Layer w0.381: Y1.3 Y1.3@98.935,48.006 ; C20.2 101.981,46.736 U3.7
  Top Layer w0.508: Y1.3@98.935,48.006 C20.2
NetC21_1: C21.1 Q1.2 R10.2 S1.1 S1.2 U5.3 | length 102.6
  Top Layer w0.254: S1.1 100.824,30.339 101.803,31.318 C21.1 104.355,32.346 104.902,32.893 104.902,33.675 Q1.2 ; U5.3 137.448,30.861 v1(140.208,30.861)
  Top Layer w0.305: S1.2@100.965,27.761 100.965,27.178 101.092,27.051 116.222,27.051 R10.2@117.071,27.901
  Top Layer w0.381: S1.2 S1.2@100.965,27.761 ; R10.2@117.071,27.901 R10.2
  Top Layer w0.762: S1.2 100.824,28.702 ; S1.1 100.824,28.702 ; v1(103.124,28.702) 100.824,28.702
  Bottom Layer w0.254: v1(103.124,28.702) 106.604,28.702 107.334,27.972 116.237,27.972 117.983,29.718 117.983,45.593 120.133,47.743 138.82,47.743 140.208,46.355 v1(140.208,30.861)
NetC22_1: C22.1 Q2.2 R11.2 S2.1 S2.2 U5.25 | length 39.1
  Top Layer w0.254: Q2.2 107.256,33.782 108.204,32.834 108.204,32.221 C22.1 111.709,31.293 112.663,30.339 S2.2 ; v1(117.253,44.831) U5.25@119.424,44.831
  Top Layer w0.508: S2.1 R11.2
  Top Layer w0.762: v1(110.363,28.702) 112.663,28.702 ; S2.1 112.663,28.702 ; S2.2 112.663,28.702
  Bottom Layer w0.254: v1(110.363,28.702) 110.467,28.598 110.762,28.598 110.785,28.575 115.951,28.575 117.253,29.877 v1(117.253,44.831)
NetD1_2: D1.2 R1.1
NetD3_2: D3.2 R6.1 | length 3.6
  Top Layer w0.508: R6.1 D3.2
NetD5_1: D5.1 Q4.2 RL1.2 | length 7.5
  Top Layer w0.762: RL1.2 83.805,56.769 84.694,55.88 86.827,55.88 D5.1 88.962,55.921 89.408,56.367 89.408,57.384 Q4.2
NetD6_1: D6.1 Q6.2 RL2.2 | length 7.5
  Top Layer w0.762: RL2.2 83.631,67.066 84.489,66.208 D6.1 88.901,66.208 89.347,66.654 89.347,67.647 89.391,67.691 Q6.2
NetD7_1: D7.1 Q8.2 RL3.2 | length 7.6
  Top Layer w0.762: RL3.2 83.641,77.47 84.489,76.622 D7.1 89.109,76.622 89.555,77.068 Q8.2
NetD8_1: D8.1 Q10.2 RL4.2 | length 7.5
  Top Layer w0.762: RL4.2 83.641,87.884 84.489,87.036 D8.1 88.982,87.036 89.428,87.482 Q10.2
NetF1_0: F1.0 JDC1.1 | length 15.2
  Top Layer w1.27: F1.0 54.102,42.124 54.102,38.209 54.846,37.465 60.706,37.465 63.246,34.925 JDC1.1
NetJ1_2: J1.2 U3.6 U4.3 U4.4 | length 19.8
  Top Layer w0.381: J1.2 93.33,34.529 94.3,35.499 U4.4 U4.3 94.3,41.722 94.869,42.291 102.743,42.291 103.201,42.749 103.201,44.015 U3.6
NetJ1_3: J1.3 U3.5 U4.1 U4.6 | length 19.7
  Top Layer w0.381: J1.3 93.98,34.163 96.2,36.383 U4.6 U4.1 103.49,40.625 104.521,41.656 U3.5
NetP1_1: P1.1 RL1.3 | length 14.1
  Top Layer w0.762: P1.1 63.344,59.436 71.578,59.436 72.024,58.99 RL1.3
NetP1_2: P1.2 RL1.4 | length 6.7
  Top Layer w0.762: P1.2 64.262,53.467 65.024,54.229 RL1.4
NetP2_1: P2.1 RL2.3 | length 13.9
  Top Layer w0.762: P2.1 63.513,69.85 71.12,69.85 72.024,68.946 RL2.3
NetP2_2: P2.2 RL2.4 | length 6.5
  Top Layer w0.762: P2.2 64.22,63.839 65.024,64.643 RL2.4
NetP3_1: P3.1 RL3.3 | length 14.3
  Top Layer w0.762: P3.1 63.585,80.391 71.247,80.391 72.024,79.614 RL3.3
NetP3_2: P3.2 RL3.4 | length 6.5
  Top Layer w0.762: P3.2 64.05,74.21 65.024,75.184 RL3.4
NetP4_1: P4.1 RL4.3 | length 14.2
  Top Layer w0.762: P4.1 63.471,90.678 71.374,90.678 72.024,90.028 RL4.3
NetP4_2: P4.2 RL4.4 | length 6.9
  Top Layer w0.762: P4.2 64.578,84.582 65.024,85.028 RL4.4
NetQ1_1: Q1.1 R9.1 U3.14 | length 18
  Top Layer w0.254: v1(100.203,32.131) 101.628,32.131 102.339,32.842 Q1.1 ; v1(107.061,35.56) U3.14 ; v1@107.087,35.56 110.998,35.56 111.506,35.052 R9.1
  Bottom Layer w0.254: v1(100.203,32.131) 103.632,35.56 v1(107.061,35.56)
NetQ1_3: Q1.3 R8.2 | length 1.9
  Top Layer w0.254: R8.2 100.613,34.732 Q1.3
NetQ2_1: Q2.1 R8.1 U3.13 | length 15.9
  Top Layer w0.254: R8.1 99.658,33.311 99.187,33.782 99.187,35.179 99.822,35.814 105.791,35.814 ; U3.13 105.791,35.814 ; Q2.1 106.121,34.722 105.791,35.052 105.791,35.814
NetQ2_3: Q2.3 R9.2 | length 1.9
  Top Layer w0.254: Q2.3 109.61,32.803 R9.2
NetQ3_2: Q3.2 U8.2 | length 3.5
  Top Layer w0.508: U8.2 98.748,54.229 99.294,54.775 Q3.2
NetQ3_3: Q3.3 R20.2 | length 4.3
  Top Layer w0.508: Q3.3 100.888,58.354 100.917,58.383 R20.2
NetQ4_3: Q4.3 R21.2 | length 2.5
  Top Layer w0.381: Q4.3 92.103,56.454 93.466,57.817 93.466,57.917 93.551,58.002 R21.2
NetQ5_2: Q5.2 U9.2 | length 3.5
  Top Layer w0.508: U9.2 98.748,64.516 99.294,65.062 Q5.2
NetQ5_3: Q5.3 R23.2 | length 4.3
  Top Layer w0.508: Q5.3 100.888,68.641 100.917,68.67 R23.2
NetQ6_3: Q6.3 R24.2 | length 2.5
  Top Layer w0.381: Q6.3 92.103,66.741 93.466,68.104 93.466,68.204 93.551,68.289 R24.2
NetQ7_2: Q7.2 U10.2 | length 3.5
  Top Layer w0.508: U10.2 98.748,74.93 99.294,75.476 Q7.2
NetQ7_3: Q7.3 R26.2 | length 4.3
  Top Layer w0.508: Q7.3 100.888,79.055 100.917,79.084 R26.2
NetQ8_3: Q8.3 R27.2 | length 2.4
  Top Layer w0.381: Q8.3 92.23,77.155 93.466,78.391 93.466,78.618 93.551,78.703 R27.2
NetQ9_2: Q9.2 U11.2 | length 3.5
  Top Layer w0.508: U11.2 98.748,85.344 99.294,85.89 Q9.2
NetQ9_3: Q9.3 R29.2 | length 4.3
  Top Layer w0.508: Q9.3 100.888,89.469 100.917,89.498 R29.2
NetQ10_3: Q10.3 R30.2 | length 2.5
  Top Layer w0.381: Q10.3 92.103,87.569 93.466,88.932 93.466,89.032 93.551,89.117 R30.2
NetR2_1: R2.1 R5.1 U2.5 | length 3.6
  Top Layer w0.508: R5.1 R2.1 76.359,32.99 76.359,34.791 U2.5
NetR3_2: R3.2 R4.1 U2.3 | length 8.7
  Top Layer w0.381: 65.786,34.036 67.691,34.036 69.723,36.068 U2.3
  Top Layer w0.508: R4.1 65.786,34.036 R3.2
NetR19_2: R19.2 U8.1 | length 2.4
  Top Layer w0.508: U8.1 100.866,51.689 100.903,51.726 R19.2
NetR21_1: R21.1 U8.4 | length 8
  Top Layer w0.508: U8.4 92.456,51.689 93.712,52.945 R21.1@93.712,56.552
NetR22_2: R22.2 U9.1 | length 2.4
  Top Layer w0.508: U9.1 98.703,62.013 R22.2
NetR24_1: R24.1 U9.4 | length 8.1
  Top Layer w0.508: U9.4 92.583,61.976 93.726,63.119 R24.1
NetR25_2: R25.2 U10.1 | length 2.4
  Top Layer w0.508: U10.1 100.866,72.39 100.903,72.427 R25.2
NetR27_1: R27.1 U10.4 | length 8.1
  Top Layer w0.508: U10.4 92.583,72.39 93.726,73.533 R27.1
NetR28_2: R28.2 U11.1 | length 2.4
  Top Layer w0.508: U11.1 100.866,82.804 100.903,82.841 R28.2
NetR30_1: R30.1 U11.4 | length 8.1
  Top Layer w0.508: U11.4 92.583,82.804 93.726,83.947 R30.1
NetU3_2: U3.2 U5.34 | length 16.7
  Top Layer w0.381: U3.2 108.331,42.037 116.967,33.401 U5.34@119.424,33.401
NetU3_3: U3.3 U5.35 | length 18.3
  Top Layer w0.381: U3.3 107.061,42.418 117.348,32.131 119.4,32.131 U5.35
NetU5_27: U5.27
NetU5_28: U5.28
RL1: R20.1 U5.33 | length 31.5
  Top Layer w0.381: R20.1 101.092,55.753 113.792,43.053 113.792,37.465 116.459,34.798 119.321,34.798 U5.33
RL2: R23.1 U5.31 | length 40.1
  Top Layer w0.381: R23.1 102.325,67.22 102.87,66.675 102.87,54.864 114.427,43.307 114.427,39.243 116.459,37.211 U5.31@119.424,37.211
RL3: R26.1 U5.30 | length 49.5
  Top Layer w0.381: R26.1 102.706,77.634 103.886,76.454 103.886,54.737 115.062,43.561 115.062,39.751 116.332,38.481 119.4,38.481 U5.30
RL4: R29.1 U5.26 | length 55.1
  Top Layer w0.381: R29.1 102.833,88.048 104.902,85.979 104.902,54.61 115.951,43.561 U5.26@119.424,43.561
pads on no net: H1.0 H2.0 H3.0 H4.0 J1.4 J1.MH1 J1.MH2 LCD1.6 LCD1.7 LCD1.8 U3.9 U3.10 U3.11 U3.12 U3.15 U5.4 U5.5 U5.17 U5.18 U5.19 U5.20 U5.21 U5.22 U5.24 U5.32 U5.39 U6.4
copper on no net:
  other v2: 129.224,34.665 130.624,34.665 128.524,35.365 129.924,35.365 131.324,35.365 129.224,36.065 130.624,36.065 128.524,36.765 129.924,36.765 131.324,36.765 129.224,37.465 130.624,37.465

## Polygon pours and split planes (outlines as drawn)
NetP1_2 on Top Layer "NETP1_2_L01_P028" (solid, remove dead copper, pour order 28): 60.198,54.737 59.69,54.229 59.69,52.705 60.325,52.07 65.024,52.07 66.294,53.34 66.294,57.404 65.786,57.912 64.389,57.912 63.881,57.404 63.881,55.499 63.119,54.737
NetP2_2 on Top Layer "NETP2_2_L01_P027" (solid, remove dead copper, pour order 27): 60.325,65.109 59.817,64.601 59.817,63.077 60.452,62.442 65.151,62.442 66.421,63.712 66.421,67.776 65.913,68.284 64.516,68.284 64.008,67.776 64.008,65.871 63.246,65.109
NetP3_2 on Top Layer "NETP3_2_L01_P026" (solid, remove dead copper, pour order 26): 60.227,75.48 59.719,74.972 59.719,73.448 60.354,72.813 65.053,72.813 66.323,74.083 66.323,78.147 65.815,78.655 64.418,78.655 63.91,78.147 63.91,76.242 63.148,75.48
NetP1_1 on Top Layer "NETP1_1_L01_P025" (solid, remove dead copper, pour order 25): 60.198,56.007 59.69,56.515 59.69,58.166 61.976,60.452 72.009,60.452 73.406,59.055 73.406,56.007 72.644,55.245 71.247,55.245 70.358,56.134 67.691,58.801 63.119,58.801 62.357,58.039 62.357,56.515 61.849,56.007
NetP2_1 on Top Layer "NETP2_1_L01_P023" (solid, remove dead copper, pour order 23): 60.325,66.379 59.817,66.887 59.817,68.538 62.103,70.824 72.136,70.824 73.533,69.427 73.533,66.379 72.771,65.617 71.374,65.617 70.485,66.506 67.818,69.173 63.246,69.173 62.484,68.411 62.484,66.887 61.976,66.379
NetP3_1 on Top Layer "NETP3_1_L01_P021" (solid, remove dead copper, pour order 21): 60.227,76.75 59.719,77.258 59.719,78.909 62.005,81.195 72.038,81.195 73.435,79.798 73.435,76.75 72.673,75.988 71.276,75.988 70.387,76.877 67.72,79.544 63.148,79.544 62.386,78.782 62.386,77.258 61.878,76.75
NetP4_2 on Top Layer "NETP4_2_L01_P015" (solid, remove dead copper, pour order 15): 60.198,85.852 59.69,85.344 59.69,83.82 60.325,83.185 65.024,83.185 66.294,84.455 66.294,88.519 65.786,89.027 64.389,89.027 63.881,88.519 63.881,86.614 63.119,85.852
NetP4_1 on Top Layer "NETP4_1_L01_P019" (solid, remove dead copper, pour order 19): 60.198,87.122 59.69,87.63 59.69,89.281 61.976,91.567 72.009,91.567 73.406,90.17 73.406,87.122 72.644,86.36 71.247,86.36 70.358,87.249 67.691,89.916 63.119,89.916 62.357,89.154 62.357,87.63 61.849,87.122
3.3V on Top Layer "3.3V_L01_P013" (solid, remove dead copper, pour order 13): 148.971,41.783 149.098,41.91 149.86,41.91 149.987,41.783 149.987,35.941 149.225,35.179 149.225,30.734 150.368,29.591 150.368,27.432 150.114,27.178 147.066,27.178 146.812,27.432 146.812,29.591 147.955,30.734 147.955,35.306 148.971,36.322
5V_USB on Top Layer "5V_USB_L01_P014" (solid, remove dead copper, pour order 14): 92.837,32.258 92.9,32.322 92.9,38.417 92.329,38.989 90.551,38.989 90.551,35.56 92.329,33.782 92.329,32.334 92.405,32.258
5V on Top Layer "5V_L01_P009" (solid, remove dead copper, pour order 9): 145.923,41.91 146.685,41.91 146.812,41.783 146.812,33.147 146.685,33.02 145.923,33.02 145.796,33.147 145.796,41.783
5V on Top Layer "5V_L01_P006" (solid, remove dead copper, pour order 6): 87.63,35.179 88.646,36.195 88.646,45.339 89.154,45.847 92.456,45.847 92.837,45.466 92.837,41.148 92.456,40.767 90.424,40.767 89.789,40.132 89.789,35.433 88.265,33.909 87.63,34.544
5V on Top Layer "5V_L01_P005" (solid, remove dead copper, pour order 5): 80.01,35.179 79.375,35.179 79.121,34.925 79.121,31.75 79.629,31.242 87.376,31.242 88.265,32.131 88.265,34.544 87.63,35.179 85.471,35.179 84.963,34.671 83.312,34.671 82.931,35.052 82.931,35.687 83.312,36.068 87.63,36.068 88.138,36.576 88.138,39.116 87.884,39.37 81.915,39.37 81.534,38.989 81.534,36.703
NetC7_2 on Top Layer "NETC7_2_L01_P003" (solid, remove dead copper, pour order 3): 75.565,38.354 75.819,38.1 77.216,38.1 77.724,38.608 77.724,39.751 77.978,40.005 87.757,40.005 88.138,40.386 88.138,42.926 87.757,43.307 76.962,43.307 75.565,41.91
12V on Top Layer "12V_L01_P001" (solid, remove dead copper, pour order 1): 57.023,44.069 57.277,44.323 59.436,44.323 59.69,44.069 59.69,42.418 60.198,41.91 64.008,41.91 65.024,40.894 66.929,40.894 67.183,40.64 67.183,38.227 67.564,37.846 71.628,37.846 71.755,37.719 71.755,36.957 71.628,36.83 65.151,36.83 63.119,38.862 57.404,38.862 57.023,39.243
NetF1_0 on Top Layer "NETF1_0_L01_P000" (solid, remove dead copper, pour order 0): 61.849,32.004 64.516,32.004 64.643,32.131 64.643,36.195 62.357,38.481 56.388,38.481 55.88,38.989 55.88,44.069 53.213,44.069 53.086,43.942 53.086,37.211 53.721,36.576 58.42,36.576 60.706,34.29 60.706,33.147
3.3V on Bottom Layer "3.3V_L02_P010" (solid, remove dead copper, pour order 10): 148.971,41.783 149.098,41.91 149.86,41.91 149.987,41.783 149.987,39.751 149.86,39.624 149.098,39.624 148.971,39.751
5V on Bottom Layer "5V_L02_P008" (solid, remove dead copper, pour order 8): 145.796,41.783 145.923,41.91 146.685,41.91 146.812,41.783 146.812,39.751 146.685,39.624 145.923,39.624 145.796,39.751
5V on Bottom Layer "5V_L02_P007" (solid, remove dead copper, pour order 7): 92.456,45.847 92.837,45.466 92.837,43.815 92.456,43.434 90.424,43.434 90.043,43.815 90.043,45.466 90.424,45.847

## Keep-outs
Keep-Out Layer:
  the board outline again, w0.254

## Other copper
Top Layer:
  pour cut-out: 52.832,91.694 72.644,91.694 74.295,90.043 74.295,52.578 72.517,50.8 52.832,50.8

## Text inside footprints (layer, text, board x,y; h text height)
C1: Top Overlay "+" at 61.73,38.637 h1.22 r270
C8: Top Overlay "+" at 81.018,34.988 h1.22 r90
C9: Top Overlay "+" at 86.987,34.988 h1.22 r90
J1: Top Courtyard "PCB Edge" at 92.68,26.799 h0.41
U6: Top Overlay "VCC" at 149.279,74.622 h0.8 r90; Top Overlay "GND" at 149.279,77.162 h0.8 r90; Top Overlay "AO" at 149.279,82.496 h0.8 r90; Top Overlay "DO" at 149.279,80.21 h0.8 r90
U7: Top Overlay "+" at 152.146,84.074 h1.52 r90; Top Overlay "-" at 146.812,85.344 h1.52 r180; Top Overlay "Out" at 150.114,85.09 h1.02 r180